# Allegro board FMDEMOD-Long.brd (continued)
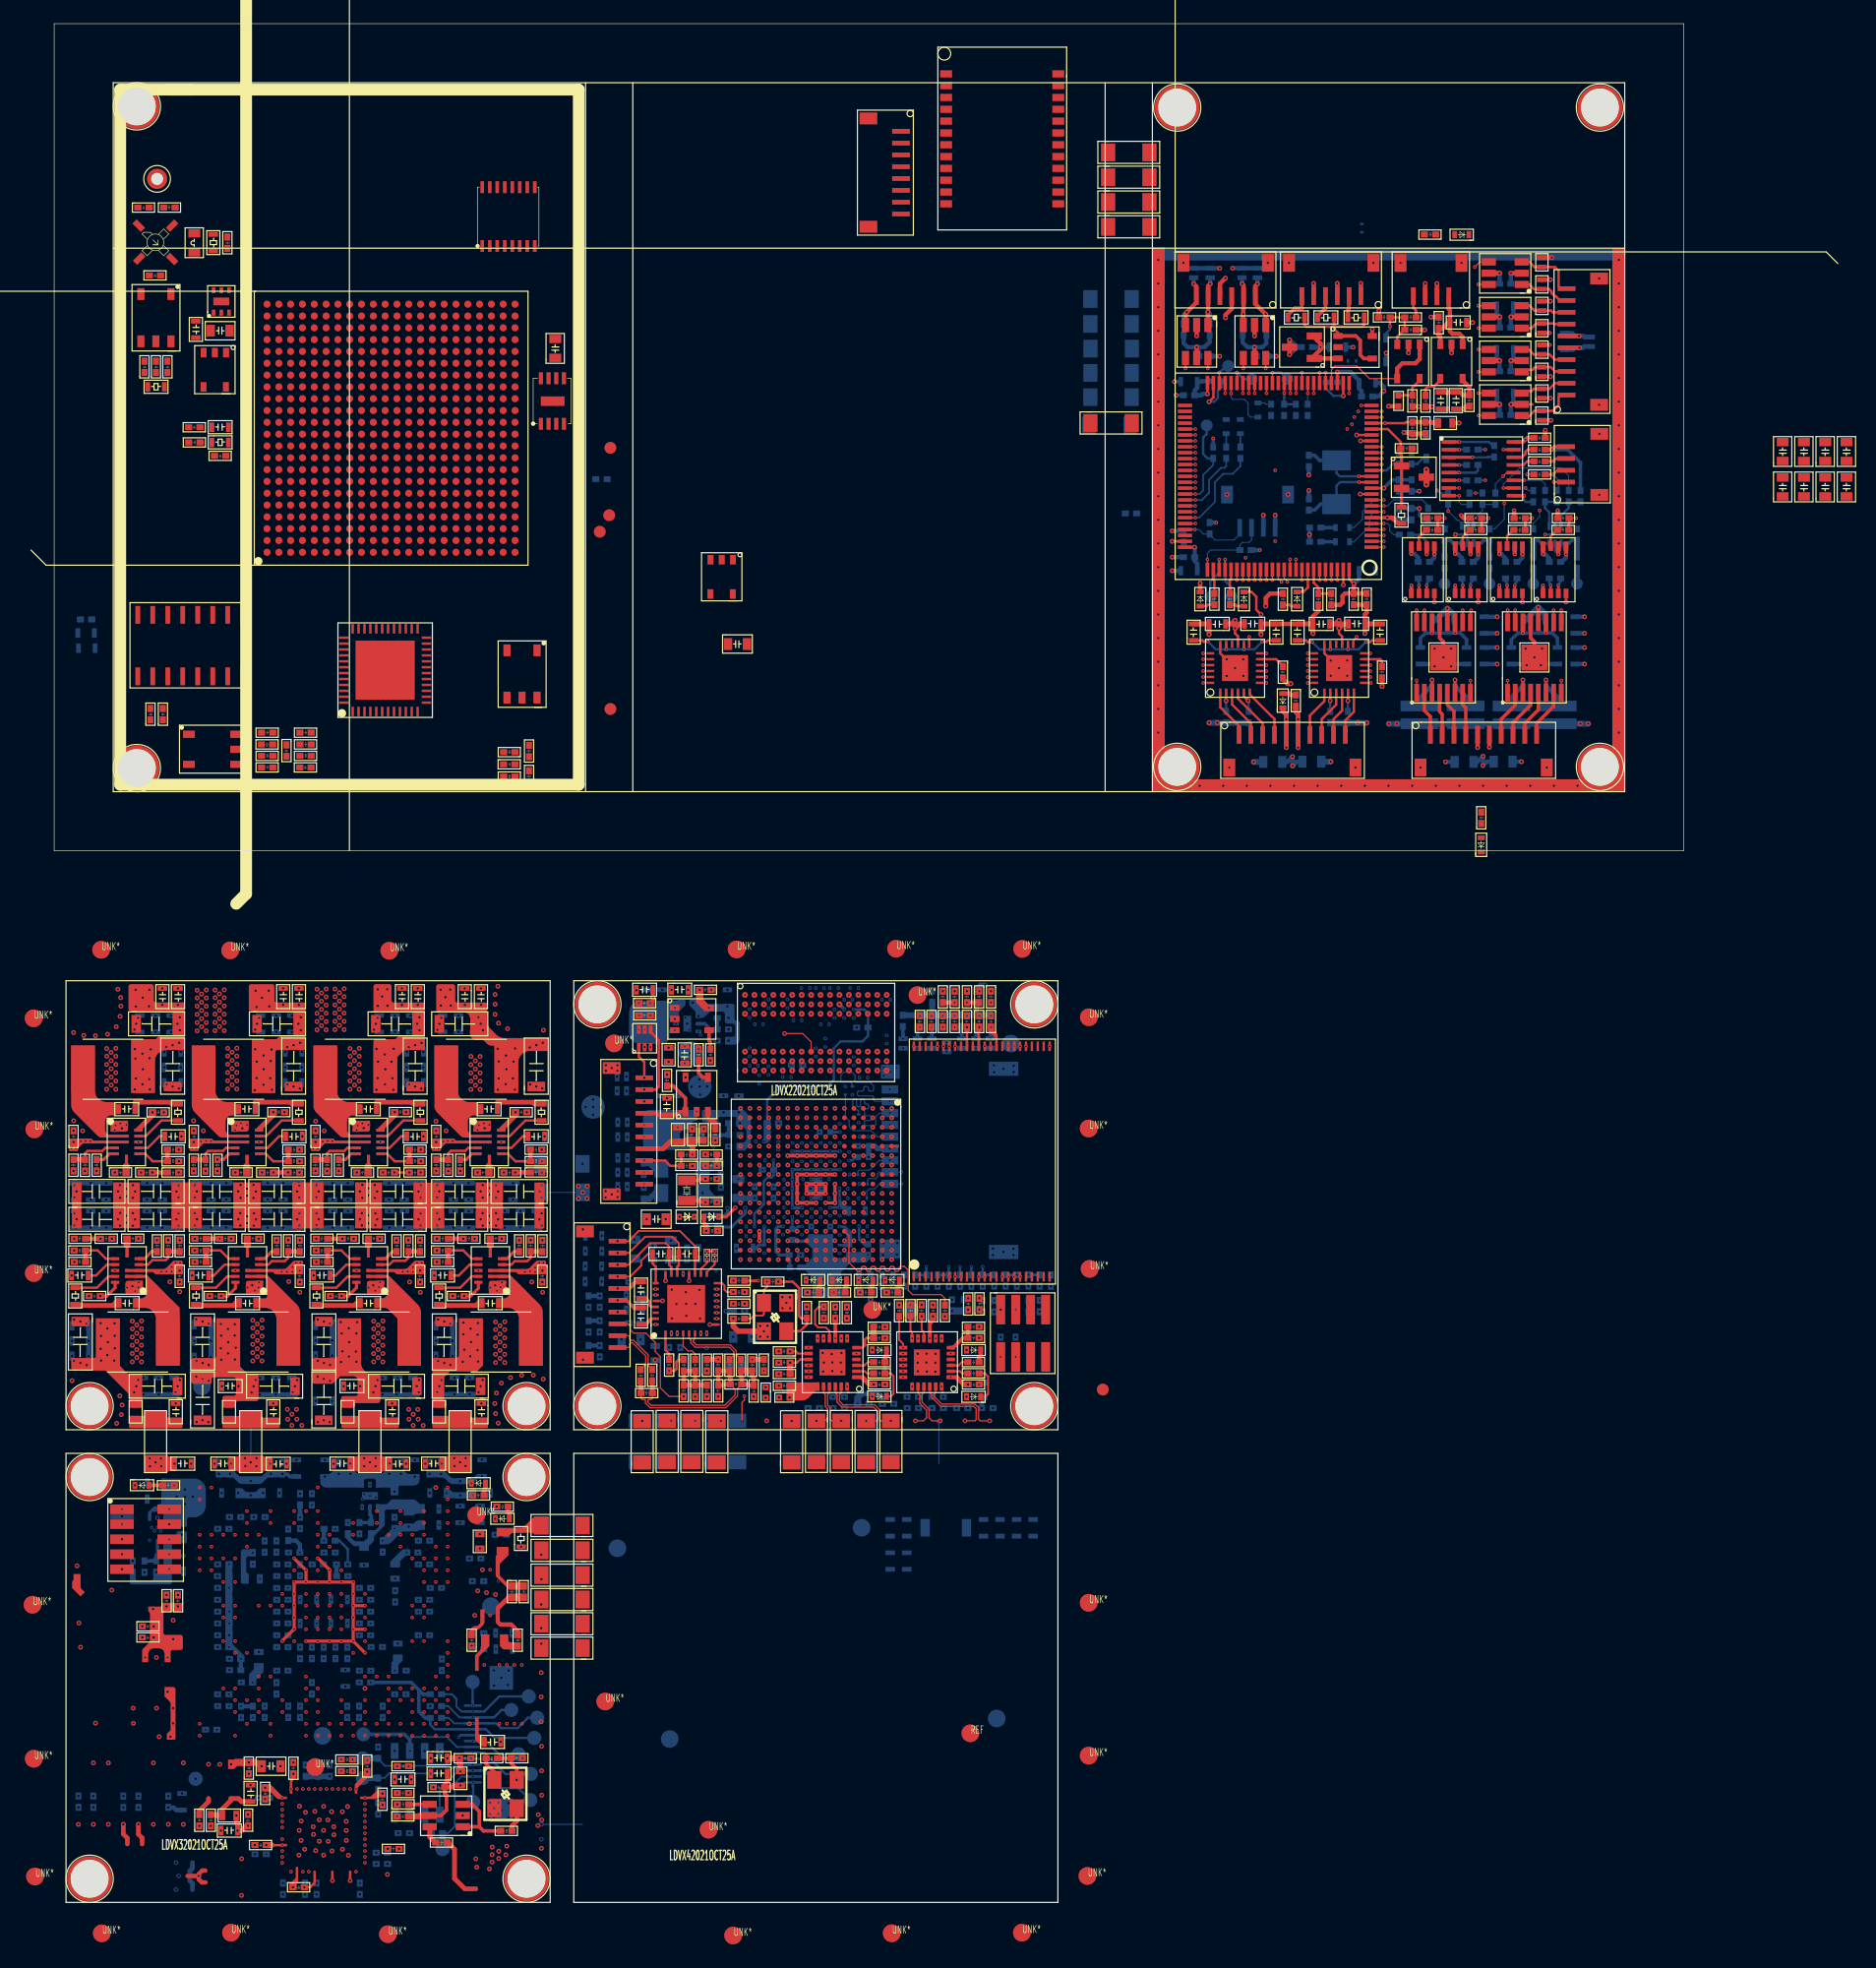
[diagram p0: board, top side]
## Routing (per net, layer and track width the routed paths; a pad name or vN(x,y) marks a point on that pad's centre or on a via; arc(x,y) is an arc through that point) (continued)
1V2_FPGA_PWR:
  vias: v5(32.19,-35.94) v5(32.42,-34.8) v5(32.44,-45.83) v5(32.51,-43.17) v5(32.61,-45.31) v5(32.79,-44.79) v5(33.03,-43.34) v5(33.54,-43.52) v5(34.6,-43.24) v5(34.66,-39.93) v5(34.65,-40.92) v5(34.73,-42.22) v5(35.23,-42.79) v5(35.26,-40.45) v5(35.29,-41.58) v5(35.88,-39.97) v5(35.86,-40.96) v5(35.85,-42.26) v5(35.9,-43.23) v6(32.58,-46) v6(33.73,-40.19) v6(33.73,-41.47) v6(33.73,-42.77) v6(33.89,-46) v6(35.19,-46)
2V5_FPGA_IN:
  vias: v5(25.07,-51.88) v5(26.25,-51.4) v5(26.25,-52.09) v5(26.73,-51.75) v5(27.21,-51.39) v5(27.22,-52.09) v5(28.4,-51.88) v6(22.93,-52.95) v6(24.11,-52.73) v6(25.09,-52.73) v6(28.38,-52.73) v6(28.82,-54.24) v6(29.36,-52.73) v6(30.53,-52.95)
2V5_FPGA_PWR:
  vias: v5(21.97,-35.94) v5(22.2,-34.8) v5(22.32,-43.17) v5(22.31,-44.52) v5(22.84,-43.34) v5(22.83,-44.7) v5(23.36,-43.52) v5(23.36,-44.88) v5(24.27,-39.89) v5(24.35,-40.86) v5(24.29,-43.27) v5(24.41,-42.37) v5(24.95,-40.41) v5(24.98,-41.58) v5(24.95,-42.81) v5(25.55,-42.38) v5(25.59,-40.85) v5(25.59,-43.24) v5(25.65,-39.89) v5(25.91,-45.31) v5(27.03,-45.84) v5(27.21,-45.31) v5(27.39,-44.79) v6(23.54,-40.17) v6(23.54,-41.45) v6(23.54,-42.73) v6(23.53,-46.56) v6(27.8,-46.02) v6(29,-46.01) v6(30.38,-46.02)
3V3_AUDIO: length 15.1
  PWR-L6 w0.26: v18(56.11,-39.59) 56.11,-40.81 56.02,-40.89 55.97,-40.84 v18(55.27,-40.84) 54.56,-41.55 ; v6(49.65,-41.36) 50.2,-41.91 v6(50.9,-41.91) 51.23,-41.58 51.23,-41.55 51.49,-41.29 52.93,-41.29 53.54,-41.91
  SIGNAL-L7 w0.26: v18(56.11,-39.59) 56.39,-39.88 56.39,-40.3 55.85,-40.84 v18(55.27,-40.84) 51.3,-40.84 50.9,-41.24 v6(50.9,-41.91)
  vias: v3(50.95,-40.09) v6(46.19,-42.83) v6(49.63,-39.98) v6(55.26,-42.07)
3V3_FPGA: length 1.3
  BOTTOM w0.3: v6(19.33,-52.73) 19.36,-52.76 19.75,-52.76 19.95,-52.95 C455.2
  vias: v5(14.98,-51.88) v5(16.15,-51.41) v5(16.18,-52.07) v5(16.64,-51.75) v5(17.13,-51.41) v5(17.12,-52.09) v5(18.27,-51.88) v6(13.95,-52.73) v6(14.9,-52.73) v6(16.65,-53.34) v6(18.36,-52.73)
3V3_FPGA_PWR:
  vias: v5(11.68,-35.94) v5(11.91,-34.8) v5(12.04,-43.17) v5(12.03,-44.51) v5(12.57,-43.34) v5(12.56,-44.7) v5(13.09,-43.52) v5(13.08,-44.88) v5(14.11,-40.05) v5(14.14,-41.04) v5(14.11,-42.11) v5(14.15,-43.07) v5(14.71,-40.47) v5(14.74,-41.58) v5(14.72,-42.54) v5(15.29,-40.07) v5(15.29,-41.02) v5(15.3,-43.05) v5(15.37,-42.05) v5(15.6,-45.31) v5(16.71,-45.85) v5(16.89,-45.31) v5(17.07,-44.78) v6(13.27,-40.11) v6(13.27,-41.48) v6(13.27,-42.87) v6(17.41,-46.02) v6(18.77,-46.02) v6(20.12,-46.02)
3V3_IF:
  vias: v5(9.6,-71.17) v5(9.85,-74.98) v5(10.06,-72.56) v5(10.06,-73.85) v6(5.86,-80) v6(7.13,-80) v6(10.83,-79.78)
3V3_MCU: length 87.6
  TOP w0.2: v2(110.05,22.6) 109.66,22.99 U19.100 ; U19.75 v2(96.58,25.69) ; U19.28 v2(108.67,40.52) ; U19.50 v2(97.67,38.66) ; v2(112.6,30.69) U19.11
  TOP w0.28: U19.6 v2(112.9,28.19)
  TOP w0.3: U37.5 v2(111.62,44.14) ; C591.1 124.75,34.95 v1(124.6,34.8) 124.4,34.6 U47.16
  TOP w0.36: C139.1 C159.1 119.06,38.8 119.29,38.57 119.83,38.57 C162.1 119.85,39.23 119.27,39.81 U21.5 ; L17.1 v2(118.98,36.2) ; v2(102.6,20.7) 102.6,21.4 102.97,21.77 R374.2 ; U31.5 v2(96.75,42.63) ; C479.1 109.32,21.78 109.1,21.56 109.1,21.01 108.9,20.81 R344.1 ; C479.1 v2(110.05,22.6) ; C479.1 C153.1 ; v2(112.9,28.19) 113.32,28.19 113.81,27.7 R320.1 ; L20.2 v2(113,37.62) ; v2(99.2,45.11) 99.2,45.36 99.72,45.88 J15.3 ; U25.5 v2(101.65,42.63)
  TOP w0.38: J14.5 v2(129.17,42.57)
  TOP w0.42: U53.5 v2(122.41,41.48) ; U50.5 v2(122.41,45.18) ; U51.5 v2(122.41,48.88) ; U52.5 v2(122.41,37.78)
  PWR-L6 w0.2: 62.7,-70.05 62.7,-70.37 62.5,-70.57 62.5,-71.3
  PWR-L6 w0.3: 64.4,-66.9 65.19,-66.9 65.67,-67.39 66.31,-67.39 66.31,-67.76 66.08,-67.98 66.08,-68.55 ; 64.4,-59.4 62.75,-59.4 62.28,-58.93 61.45,-58.93 ; 50.51,-56.59 50.51,-56.88 50.35,-57.04 50.35,-57.31 ; 47.38,-77.89 47.38,-78.37 47.64,-78.62 47.64,-79.19 ; 81.88,-74.2 81.88,-75.13 82.02,-75.26 82.02,-76.28
  BOTTOM w0.2: v2(96.58,25.69) 96.02,25.69 95.65,26.06 C573.1 ; v2(118.66,26.76) 119.5,26.76 119.7,26.56 U42.5 ; v1(126.26,26.77) 126.9,26.77 127.1,26.97 U41.5
  BOTTOM w0.3: C525.1 C203.1 113.3,31.39 v2(112.6,30.69) ; R328.2 v1(98.15,34.9) ; D18.2 v2(112.8,42.13) ; C546.1 108.69,40.12 108.67,40.14 v2(108.67,40.52) ; R291.1 v2(110,42.62) ; v2(112.9,28.19) 113.19,28.19 113.37,28 113.84,28 C176.1 C532.1
  BOTTOM w0.36: C189.1 110.5,23 110.1,22.6 v2(110.05,22.6) ; v2(96.75,42.63) 97.43,42.63 97.85,43.05 R189.2 ; v2(96.75,42.63) 95.97,42.63 95.65,42.95 R187.2 ; v2(96.75,42.63) 96.75,42.45 96.93,42.27 C606.2 ; R181.1 106.31,26.73 v2(106.29,26.75) 106.31,26.77 R186.1 ; R153.2 v1(98.4,27.77) ; C137.1 96.8,24.3 96.59,24.51 C136.1 96.59,25.68 v2(96.58,25.69) ; C644.1 128.6,42.4 128.77,42.57 v2(129.17,42.57) ; C553.1 101.81,42.12 101.65,42.28 v2(101.65,42.63) ; v2(101.65,42.63) 102.33,42.63 102.65,42.95 R378.2 ; v2(101.65,42.63) 101.05,42.63 100.65,43.02 R377.2 ; C609.2 122.4,45.17 v2(122.41,45.18) 122.17,45.42 C645.1 ; C158.1 97.23,39.75 97.18,39.7 C156.1 96.8,39.18 96.59,38.97 C138.1 97.15,38.55 97.26,38.66 v2(97.67,38.66) ; J20.4 v2(103.4,28.41) ; C647.1 122.17,38.02 v2(122.41,37.78) 122.4,37.77 C603.2 ; C600.2 122.4,48.87 v2(122.41,48.88) ; C610.2 122.4,41.47 v2(122.41,41.48) 122.17,41.72 C646.1 ; C168.1 110.71,38.9 110.5,39.11 C161.1 110.5,39.8 109.78,40.52 v2(108.67,40.52) ; R157.2 v1(102.1,25.45)
  BOTTOM w0.38: D24.2 129.55,42.68 129.44,42.57 v2(129.17,42.57)
3V3_MCU_A: length 5.7
  TOP w0.2: U19.22 v1(112.7,36.19) 114.39,36.19 114.47,36.27 C141.2
  TOP w0.36: C141.2 C142.2 116.65,36.27 116.72,36.2 L17.2
5V_AUDIO:
  vias: v3(50.95,-37.09) v3(53.27,-35.81) v6(49.63,-36.48) v6(50.68,-34.62) v6(52.22,-34.59) v6(53.59,-34.57) v6(54.56,-34.56)
5V_FPGA: length 33.8
  SIGNAL-L4 w0.36: v5(9.52,-63.95) 9.52,-60.32 14.68,-55.16 31.44,-55.16 34.12,-57.85 v5(36.04,-57.85)
  PWR-L6 w0.26: 6.85,-61.42 6.65,-61.22 v6(6.65,-61.06)
  vias: v3(7.71,-68.27) v3(9.61,-68.27) v5(8.37,-64.17) v5(8.42,-65.64) v5(8.42,-66.58) v5(10.07,-66.72) v5(10.49,-63.95) v5(13.08,-77.31) v5(14.98,-77.31) v5(16.48,-77.15) v5(17.56,-77.47) v6(8.64,-61.05) v6(9.39,-58.36) v6(9.54,-59.68) v6(9.54,-60.98) v6(10.8,-57.88) v6(36.06,-56.85) v6(37.34,-57.89)
5V_FPGA_IN:
  vias: v5(8.09,-51.42) v5(8.1,-52.09) v5(8.58,-51.75) v5(9.03,-51.43) v5(9.07,-52.09) v5(10.19,-51.88) v6(9.28,-53.52) v6(9.28,-54.86) v6(10.38,-54.68) v6(11.06,-54.06) v6(11.07,-54.68) v6(11.08,-55.28) v6(11.74,-54.67)
5V_FPGA_PWR:
  vias: v5(1.47,-35.94) v5(1.7,-34.8) v5(1.67,-43.15) v5(2.21,-43.34) v5(2.75,-43.53) v5(3.94,-39.98) v5(3.94,-42.15) v5(3.96,-41.06) v5(3.97,-43.14) v5(4.51,-40.43) v5(4.55,-41.58) v5(4.5,-42.67) v5(5.11,-39.99) v5(5.13,-41.05) v5(5.13,-42.11) v5(5.08,-43.15) v5(6.77,-45.84) v5(6.95,-45.31) v5(7.13,-44.78) v6(2.92,-40.2) v6(2.92,-41.48) v6(2.92,-42.77) v6(7.55,-46.02) v6(8.85,-46.02) v6(10.16,-46.02)
5V_MCU: length 21.2
  TOP w0.1: 118.1,46.93 J16.1
  TOP w0.36: U46.8 v1(114.93,25.13) ; U45.8 v1(118.64,25.14) ; U21.1 119.28,43.47 118.99,43.76 118.41,43.76 118.2,43.97 C155.1 ; C155.1 118.06,44.7 117.57,44.21 C160.1 117.21,44.17 117.21,43.66 117.38,43.5 U21.3 ; C155.1 118.2,45.77 118.1,45.87 J16.1 ; U43.8 v1(126.08,25.1) ; U44.8 v1(122.39,25.11)
  PWR-L6 w0.2: 74.05,-70.65 74.45,-70.65 75.3,-69.8 75.3,-68.5 74.68,-68.5 74.43,-68.75 74.05,-68.75
  PWR-L6 w0.3: 69.9,-69.7 69.9,-70.08 69.68,-70.3 69.68,-70.85 70.06,-70.85 70.27,-70.64 71.15,-70.64
  BOTTOM w0.36: v1(126.08,25.1) 126.25,25.1 126.61,24.74 C568.1 ; v1(118.64,25.14) 118.85,25.14 119.21,24.78 C572.1 ; v1(122.39,25.11) 122.55,25.11 122.91,24.75 C570.1 ; C566.1 115.51,24.81 115.19,25.13 v1(114.93,25.13)
12V_VBAT: length 1.9
  TOP w0.2: R156.1 115.33,45.72 115.1,45.95 J16.4
GND: length 705.4
  TOP w0.2: U47.15 v1(122.72,33.95) ; U48.18 98.75,16.71 v2(100,15.46) ; v24(21.18,-87.72) 21.67,-87.72 22.06,-87.33 22.06,-86.4 ; v2(109.16,22.5) U19.99 ; 23.56,-86.4 v24(23.56,-87.16) ; D16.1 101.4,21.9 101.8,21.5 101.8,20.4 v2(102.2,20) ; U52.2 125.18,37.78 ; U19.10 v2(110.6,30.19) ; v2(97.8,38) 98.17,38.37 U19.49 ; U28.18 107.56,16.71 v2(108.81,15.46) ; U19.19 v2(110.63,34.69) ; U19.74 v2(94.67,26.19) ; U19.20 v2(110.3,35.19) ; D52.1 v2(126.71,40.13) ; U19.27 v2(109.17,38.5) ; 25.06,-86.4 v24(25.06,-87.16) ; v2(126.71,38.3) D50.1
  TOP w0.3: v2(125.35,16.36) 125.35,17.69 125.03,18.01 U27.13 ; U43.1 v1(126.08,22.46) ; D48.1 v2(126.83,50.2) ; v2(117.65,16.36) 117.65,17.69 117.33,18.01 U26.13 ; D53.1 v1(126.66,42.81) ; D44.1 v1(126.66,43.82) ; v2(126.71,46.51) D45.1 ; U45.1 v1(118.64,22.46) ; U44.1 v1(122.39,22.46) ; U46.1 v1(114.93,22.46) ; v2(126.71,48.33) D47.1
  TOP w0.36: U45.5 v1(120.59,25.11) ; U21.2 v2(118.33,42.13) ; U52.2 v2(123.36,37.78) ; D49.1 v2(126.75,36.43) ; J16.3 v2(116.1,48) ; R154.2 v2(112.18,45.72) ; C594.2 C185.2 ; J19.6 v2(121.54,8.76) ; U46.5 v1(116.88,25.1) ; C591.2 v2(126.27,35.59) ; J16.2 v2(117.1,48) ; C162.2 119.63,37.63 119.4,37.4 v1(119.3,37.4) C159.2 ; C574.2 119.38,28.15 v1(119.14,28.39) ; C177.2 111,20 111.15,20.15 C153.2 C479.2 ; U31.2 v2(96.75,43.57) ; U50.2 v2(123.36,45.18) ; v2(104.61,41.99) U40.3 v2(104.61,43.24) ; U43.5 v1(128.03,25.1) ; U44.5 v1(124.34,25.1) ; v2(99.18,48.46) 98.72,48 J15.4 ; U25.2 v2(101.65,43.57) ; J7.3 v2(108.66,48.02) ; U51.2 v2(123.36,48.88) ; U45.6 v1(119.94,25.1) ; v2(120.13,44.7) C155.2 ; C163.2 v2(115.58,37.59) ; J7.5 v2(106.66,48.02) ; C569.2 v1(127.33,28.8) ; C139.2 v1(118.02,37.4) ; C154.1 v2(116.07,44.08) ; D17.1 v2(97.05,22.65) ; U44.6 v1(123.69,25.1) ; C174.2 106.6,19.83 107.05,20.28 R343.1 ; C157.1 v2(116.68,37.58) ; U53.2 v2(123.36,41.48) ; C142.1 C141.1 114.79,35.31 114.7,35.4 v2(114.3,35.4) ; U43.6 v1(127.38,25.1) ; U46.6 v1(116.23,25.1) ; U22.2 v2(114.69,42.13) ; J7.1 v2(110.66,48.02) ; C160.2 v2(116.59,45.17) ; C571.2 v1(123.63,28.8)
  TOP w0.38: J14.6 v2(129.13,43.57)
  TOP w0.4: R363.2 104.05,14.54 104.45,14.14 v2(104.72,14.14) ; v2(104.34,8.73) J18.5 v2(104.34,11.12) 104.34,11.55 104.05,11.84 D56.1 ; C595.2 C590.2 v2(97.8,18.3) ; v2(106.6,18.38) C174.2 C185.2 ; R176.2 v2(112.45,13.9) ; v2(102.2,18.3) C592.2 C594.2 ; v2(111,18.38) C177.2 C190.2
  TOP w0.45: v26(57.51,-39.59) 57.51,-40.25 57.92,-40.66 v26(60.1,-40.66)
  TOP w0.5: v2(116.2,32.25) U39.3 v2(116.2,30.99)
  GND-L2 w0.1: v23(61.32,-26.6) 60.92,-26.2 60.12,-26.2 v23(59.72,-26.6) ; 69.71,-32.61 66.51,-32.61 v23(66.12,-33) ; 69.71,-32.61 v23(69.32,-33) ; 69.71,-32.61 71.37,-32.61 ; v23(62.12,-29.8) 61.74,-29.42 60.1,-29.42 v23(59.72,-29.8) ; v23(61.32,-23.4) 60.91,-22.99 ; 60.91,-22.99 62.51,-22.99 v23(62.92,-23.4) ; 60.91,-22.99 59.31,-22.99 ; 59.35,-24.63 v23(59.72,-25) ; 59.35,-24.63 56.49,-24.63 56.37,-24.5 v25(55.99,-24.5) ; 59.35,-24.63 60.95,-24.63 v23(61.32,-25) ; v23(67.72,-29.8) 68.13,-29.39 68.91,-29.39 v23(69.32,-29.8) ; v26(55.01,-23.54) 55.56,-22.99 59.31,-22.99 ; v23(64.52,-25) 64.92,-24.61 65.72,-24.61 v23(66.12,-25) ; 59.31,-22.99 v23(59.72,-23.4)
  SIGNAL-L3 w0.1: v10(32.32,-74.89) 32.32,-82.57 31.01,-83.88 27.16,-83.88 26.93,-83.65 v10(26.31,-83.65) ; v10(39.6,-73.88) 39.6,-73.14 39.06,-72.59 39.06,-72.33 39.67,-71.72 39.67,-71.58 39.53,-71.44 39.39,-71.44 38.78,-72.05 38.43,-72.05 38.27,-71.89 v10(33.32,-71.89) ; v10(33.32,-57.89) 34.64,-57.89 35.42,-57.11 v14(41.24,-57.11) ; v10(33.32,-59.89) 39.63,-59.89 40.71,-60.97 40.88,-60.97 40.88,-60.97 v14(41.26,-60.97) ; v11(26.32,-70.89) 25.86,-70.43 18.93,-70.43 17.82,-71.54 17.82,-76.62 18.14,-76.94 18.14,-78.07 17.33,-78.89 17.33,-80.18 17.82,-80.67 17.82,-83.35 17.48,-83.69 17.48,-84.71 17.92,-85.15 v10(19.31,-85.15) ; v14(41.25,-58.78) 40.87,-58.78 40.57,-58.48 35.18,-58.48 34.77,-58.89 v10(33.32,-58.89) ; v10(33.32,-70.89) 33.92,-70.89 34.02,-70.79 34.02,-70.57 34.12,-70.47 34.32,-70.47 34.42,-70.57 34.42,-70.79 34.52,-70.89 34.72,-70.89 34.82,-70.79 34.82,-70.57 34.92,-70.47 35.12,-70.47 35.22,-70.57 35.22,-70.79 35.32,-70.89 35.52,-70.89 35.62,-70.79 35.62,-70.57 35.72,-70.47 35.92,-70.47 36.02,-70.57 36.02,-70.79 36.12,-70.89 36.32,-70.89 36.42,-70.79 36.42,-70.57 36.52,-70.47 36.72,-70.47 36.82,-70.57 36.82,-70.79 36.92,-70.89 37.12,-70.89 37.22,-70.79 37.22,-70.57 37.32,-70.47 37.52,-70.47 37.62,-70.57 37.62,-70.79 37.72,-70.89 38.16,-70.89 38.97,-70.07 v10(38.97,-68.9) ; v14(41.25,-62.97) 40.41,-62.97 40.18,-62.74 40.18,-62.6 40.37,-62.41 40.37,-62.27 40.23,-62.13 40.09,-62.13 39.9,-62.32 39.76,-62.32 39.62,-62.18 39.62,-62.04 39.8,-61.85 39.8,-61.71 39.66,-61.56 39.52,-61.56 39.33,-61.75 39.19,-61.75 39.05,-61.61 39.05,-61.47 39.24,-61.28 39.24,-61.14 39.1,-61 38.96,-61 38.77,-61.19 38.63,-61.19 38.33,-60.89 37.77,-60.89 37.44,-61.22 36.35,-61.22 36.02,-60.89 v10(33.32,-60.89) ; v10(26.32,-74.89) 26.32,-75.99 25.83,-76.48 25.09,-76.48 24.84,-76.73 24.84,-77.2 24.64,-77.4 24.18,-77.4 24.07,-77.51 23.96,-77.51 23.89,-77.44 23.89,-77.13 23.79,-77.03 23.64,-77.03 23.55,-77.13 23.55,-77.51 23.45,-77.61 23.25,-77.61 23.14,-77.51 23.14,-76.88 23.05,-76.78 22.84,-76.78 22.75,-76.88 22.75,-77.43 22.64,-77.53 22.45,-77.53 22.34,-77.43 22.34,-77 22.13,-76.79 21.71,-76.79 21.56,-76.94 21.56,-77.28 21.46,-77.38 21.09,-77.38 20.99,-77.48 20.99,-77.67 21.11,-77.78 21.46,-77.78 21.56,-77.88 v10(21.56,-79.4) ; v10(30.32,-74.89) 30.32,-75.29 28.99,-76.62 28.85,-76.62 28.57,-76.34 28.43,-76.34 28.29,-76.48 28.29,-76.62 28.57,-76.9 28.57,-77.04 28.36,-77.25 28.36,-78.39 28.26,-78.49 27.77,-78.49 27.67,-78.59 27.67,-78.79 27.77,-78.89 28.26,-78.89 28.36,-78.99 28.36,-79.99 28.13,-80.22 27.77,-80.22 27.67,-80.32 27.67,-80.49 27.77,-80.59 28.26,-80.59 28.36,-80.69 28.36,-80.88 27.59,-81.65 v10(26.31,-81.65) ; v10(25.32,-73.89) 25.82,-74.39 25.82,-75.5 25.32,-76 24.73,-76 24.63,-76.1 24.63,-76.22 24.53,-76.32 24.33,-76.32 24.23,-76.22 24.23,-76.1 24.13,-76 23.93,-76 23.83,-76.1 23.83,-76.22 23.73,-76.32 23.53,-76.32 23.43,-76.22 23.43,-76.1 23.33,-76 23.13,-76 23.03,-76.1 23.03,-76.22 22.93,-76.32 22.73,-76.32 22.63,-76.22 22.63,-76.1 22.53,-76 22.33,-76 22.23,-76.1 22.23,-76.22 22.13,-76.32 21.93,-76.32 21.83,-76.22 21.83,-76.1 21.73,-76 21.53,-76 21.43,-76.1 21.43,-76.22 21.33,-76.32 21.13,-76.32 21.03,-76.22 21.03,-76.1 20.93,-76 20.55,-76 20.38,-76.18 20.38,-76.39 20.58,-76.6 20.86,-76.6 20.96,-76.7 20.96,-76.84 20.86,-76.94 20.36,-76.94 20.16,-77.14 20.16,-77.38 20.91,-78.13 20.91,-78.41 21.06,-78.56 v10(21.06,-79.4) ; v10(33.32,-72.89) 37.84,-72.89 38.33,-73.38 v10(38.33,-73.88) ; v10(32.32,-70.89) 33.28,-69.93 34.29,-69.93 34.39,-69.83 34.39,-69.02 34.49,-68.92 34.69,-68.92 34.79,-69.02 34.79,-69.83 34.89,-69.93 35.09,-69.93 35.19,-69.83 35.19,-69.02 35.29,-68.92 35.49,-68.92 35.59,-69.02 35.59,-69.83 35.69,-69.93 37.84,-69.93 38.33,-69.43 v10(38.33,-68.9) ; v10(26.32,-73.89) 26.8,-74.37 26.8,-75.29 26.9,-75.39 27.17,-75.39 27.27,-75.49 27.27,-75.69 27.17,-75.79 26.9,-75.79 26.8,-75.89 26.8,-76.45 26.39,-76.87 26.39,-77.01 26.61,-77.23 26.61,-77.37 26.47,-77.51 26.33,-77.51 26.1,-77.29 25.96,-77.29 25.82,-77.43 25.82,-77.57 26.04,-77.79 26.04,-77.94 25.9,-78.08 25.76,-78.08 25.75,-78.06 25.69,-78.06 25.44,-78.31 25.15,-78.31 25.06,-78.41 25.06,-78.57 24.96,-78.67 24.76,-78.67 24.66,-78.57 24.66,-78.43 24.56,-78.33 24.36,-78.33 24.26,-78.43 24.26,-78.57 24.16,-78.67 23.96,-78.67 23.86,-78.57 23.86,-78.12 23.76,-78.02 23.56,-78.02 23.46,-78.12 23.46,-78.65 23.36,-78.75 23.06,-78.75 22.96,-78.65 22.96,-78.1 22.86,-78 22.18,-78 22.06,-78.12 v10(22.06,-79.4) ; v10(30.32,-73.89) 30.81,-74.38 30.81,-75.44 29.77,-76.49 29.77,-76.71 29.87,-76.81 30.27,-76.81 30.45,-77 30.45,-77.57 30.13,-77.89 29.07,-77.89 28.98,-77.99 28.98,-78.13 29.07,-78.23 29.44,-78.23 29.54,-78.33 29.54,-81.17 29.3,-81.42 29.16,-81.42 28.94,-81.2 28.8,-81.2 28.66,-81.34 28.66,-81.48 28.88,-81.7 28.88,-81.84 28.56,-82.15 v10(26.31,-82.15) ; v10(26.31,-82.65) 28.82,-82.65 29.07,-82.41 29.21,-82.41 29.29,-82.49 29.43,-82.49 29.57,-82.34 29.57,-82.2 29.49,-82.13 29.49,-81.98 29.63,-81.84 29.78,-81.84 29.85,-81.92 29.99,-81.92 30.14,-81.78 30.14,-81.64 30.06,-81.56 30.06,-81.42 30.66,-80.82 30.66,-79.72 30.76,-79.62 31.18,-79.62 31.27,-79.52 31.27,-79.32 31.18,-79.22 30.76,-79.22 30.66,-79.12 30.66,-78.92 30.76,-78.82 31.18,-78.82 31.27,-78.72 31.27,-78.52 31.18,-78.42 30.76,-78.42 30.66,-78.32 30.66,-78.12 30.76,-78.02 31.18,-78.02 31.27,-77.92 31.27,-77.29 30.89,-76.9 30.89,-76.28 31.32,-75.85 v10(31.32,-74.89) ; v10(26.31,-81.15) 26.96,-81.15 27.21,-80.9 27.21,-78.91 27.11,-78.81 26.18,-78.81 26.08,-78.71 26.08,-78.51 26.18,-78.41 27.11,-78.41 27.21,-78.31 27.21,-77.94 27.32,-77.84 27.82,-77.84 27.92,-77.74 27.92,-77.54 27.82,-77.44 27.32,-77.44 27.21,-77.34 27.21,-77.06 27.55,-76.73 27.55,-76.58 27.34,-76.37 27.34,-76.23 27.48,-76.09 27.62,-76.09 27.84,-76.3 27.98,-76.3 28.12,-76.16 28.12,-76.02 27.9,-75.8 27.9,-75.66 28.05,-75.52 28.19,-75.52 28.4,-75.74 28.54,-75.74 28.82,-75.46 29.6,-75.46 29.8,-75.26 29.8,-74.36 v10(29.32,-73.89) ; v10(33.32,-61.89) 37.16,-61.89 37.75,-62.47 37.89,-62.47 37.98,-62.38 38.12,-62.38 38.26,-62.52 38.26,-62.66 38.17,-62.75 38.17,-62.89 38.31,-63.03 38.45,-63.03 38.54,-62.94 38.69,-62.94 38.83,-63.08 38.83,-63.23 38.74,-63.32 38.74,-63.46 38.88,-63.6 39.02,-63.6 39.11,-63.51 39.25,-63.51 39.39,-63.65 39.39,-63.79 39.3,-63.88 39.3,-64.02 39.44,-64.17 39.58,-64.17 39.68,-64.07 39.82,-64.07 39.96,-64.22 39.96,-64.36 39.87,-64.45 39.87,-64.59 40.35,-65.07 v14(41.24,-65.07) ; 40.87,-68.05 40.87,-69.18 v11(41.24,-69.55) ; 40.87,-68.05 41.03,-68.05 v14(41.26,-67.82) ; 40.87,-68.05 33.81,-68.05 33.65,-67.89 v10(33.32,-67.89) ; v10(31.32,-73.89) 31.8,-74.37 31.8,-76.04 31.64,-76.21 31.64,-81.37 30.58,-82.43 30.44,-82.43 30.39,-82.37 30.24,-82.37 30.1,-82.51 30.1,-82.65 30.16,-82.71 30.16,-82.85 29.86,-83.15 29.66,-83.15 29.56,-83.25 29.56,-83.33 29.46,-83.43 29.26,-83.43 29.16,-83.33 29.16,-83.25 29.06,-83.15 28.86,-83.15 28.76,-83.25 28.76,-83.33 28.66,-83.43 28.46,-83.43 28.36,-83.33 28.36,-83.25 28.26,-83.15 28.06,-83.15 27.96,-83.25 27.96,-83.33 27.86,-83.43 27.66,-83.43 27.56,-83.33 27.56,-83.25 27.46,-83.15 v10(26.31,-83.15) ; v10(31.32,-71.89) 31.84,-71.37 38.33,-71.37 39.6,-70.1 v10(39.6,-68.9) ; v10(32.32,-72.89) 32.78,-73.35 37.49,-73.35 37.7,-73.56 v10(37.7,-73.88) ; v10(32.32,-71.89) 32.77,-72.34 38.05,-72.34 38.97,-73.26 v10(38.97,-73.88) ; v10(25.32,-74.89) 25.32,-75.24 25.06,-75.5 18.81,-75.5 18.69,-75.62 18.69,-75.84 18.79,-75.94 19.67,-75.94 19.77,-76.04 19.77,-76.25 19.67,-76.34 18.79,-76.34 18.69,-76.44 18.69,-78.18 19.22,-78.71 20.19,-78.71 20.56,-79.08 v10(20.56,-79.4) ; v11(41.26,-84.42) 40.77,-84.42 40.33,-83.99 40.33,-68.88 39.82,-68.37 34.34,-68.37 33.83,-68.89 v10(33.32,-68.89)
  SIGNAL-L4 w0.1: v17(26.32,-69.89) 25.84,-69.41 20.29,-69.41 19.82,-69.87 19.82,-75.17 18.56,-76.43 18.56,-84.23 18.98,-84.65 v17(19.31,-84.65)
  SIGNAL-L7 w0.1: v18(25.06,-79.4) 25.06,-79.08 25.39,-78.75 26.62,-78.75 26.95,-79.08 26.95,-79.73 27.34,-80.12 28.9,-80.12 29.55,-79.46 29.55,-78.71 29.65,-78.61 30.2,-78.61 30.3,-78.51 30.3,-78.31 30.2,-78.21 29.65,-78.21 29.55,-78.11 29.55,-77.91 29.65,-77.81 30.2,-77.81 30.3,-77.71 30.3,-77.51 30.2,-77.41 29.65,-77.41 29.55,-77.31 29.55,-77.11 29.65,-77.01 30.2,-77.01 30.3,-76.91 30.3,-76.71 30.2,-76.61 29.65,-76.61 29.55,-76.51 29.55,-75.12 v18(29.32,-74.89) ; v18(24.06,-79.4) 24.06,-78.85 24.29,-78.62 24.29,-78.26 24.72,-77.83 25.17,-77.83 25.64,-77.36 27.01,-77.36 27.11,-77.26 27.11,-77.06 27.01,-76.96 25.64,-76.96 25.54,-76.86 25.54,-75.86 25.89,-75.51 26.12,-75.51 26.22,-75.61 26.22,-76.53 26.32,-76.63 26.52,-76.63 26.62,-76.53 26.62,-75.61 26.72,-75.51 26.92,-75.51 27.02,-75.61 27.02,-76.53 27.12,-76.63 27.32,-76.63 27.42,-76.53 27.42,-75.61 27.52,-75.51 27.7,-75.51 v18(28.32,-74.89) ; v22(41.24,-73.71) 40.59,-73.06 38.84,-73.06 38.14,-72.35 29.78,-72.35 v18(29.32,-71.89) ; v21(41.25,-83.66) 31.84,-83.66 30.85,-82.66 30.85,-73.36 v18(31.32,-72.89) ; v18(24.56,-79.4) 24.56,-78.83 25.06,-78.33 25.47,-78.33 25.93,-77.87 27.05,-77.87 27.36,-78.18 27.36,-78.72 27.9,-79.26 28.4,-79.26 28.5,-79.16 28.5,-78.69 28.4,-78.59 27.97,-78.59 27.87,-78.49 27.87,-78.29 27.97,-78.19 28.4,-78.19 28.5,-78.09 28.5,-77.82 28.28,-77.6 28,-77.6 27.9,-77.5 27.9,-77.3 28,-77.2 28.28,-77.2 28.38,-77.1 28.38,-76.9 28.28,-76.8 28,-76.8 27.9,-76.7 27.9,-76.5 28,-76.4 28.28,-76.4 28.38,-76.3 28.38,-76.07 28.82,-75.63 28.82,-74.39 v18(28.32,-73.89) ; v18(24.32,-74.89) 24.32,-76.59 23.04,-77.87 22.79,-77.87 22.69,-77.77 22.69,-77.37 22.59,-77.27 22.39,-77.27 22.29,-77.37 22.29,-77.77 22.19,-77.87 21.99,-77.87 21.89,-77.77 21.89,-77.37 21.79,-77.27 21.59,-77.27 21.49,-77.37 21.49,-77.77 21.39,-77.87 18.74,-77.87 17.8,-78.82 17.8,-80.68 18.77,-81.65 v18(19.31,-81.65) ; v18(23.32,-74.89) 23.32,-75.17 22.27,-76.23 21.47,-76.23 21.37,-76.13 21.37,-76.06 21.27,-75.96 21.07,-75.96 20.97,-76.06 20.97,-76.13 20.87,-76.23 20.67,-76.23 20.57,-76.13 20.57,-76.06 20.47,-75.96 20.27,-75.96 20.17,-76.06 20.17,-76.13 20.07,-76.23 19.87,-76.23 19.77,-76.13 19.77,-76.06 19.67,-75.96 19.47,-75.96 19.37,-76.06 19.37,-76.13 19.27,-76.23 18.89,-76.23 16.92,-78.2 16.92,-81.08 18.5,-82.65 v18(19.31,-82.65) ; v18(24.32,-73.89) 24.81,-74.38 24.81,-76.9 23.77,-77.94 23.77,-78.71 23.33,-79.16 20.68,-79.16 20.58,-79.06 20.58,-78.67 20.48,-78.57 20.28,-78.57 20.18,-78.67 20.18,-79.06 20.08,-79.16 19.88,-79.16 19.78,-79.06 19.78,-78.67 19.68,-78.57 19.48,-78.57 19.38,-78.67 19.38,-79.06 19.28,-79.16 19.05,-79.16 18.73,-79.48 18.73,-80.9 18.98,-81.15 v18(19.31,-81.15) ; v18(19.31,-82.15) 18.66,-82.15 17.36,-80.85 17.36,-78.58 19.12,-76.83 22.62,-76.83 23.83,-75.62 23.83,-74.39 v18(23.32,-73.89) ; v18(29.32,-70.89) 30.2,-70.89 30.69,-71.38 38.92,-71.38 39.62,-72.08 40.77,-72.08 v22(41.24,-71.61)
  BOTTOM w0.1: v30(41.27,-82.39) 44.73,-82.39 ; 74.92,-51.85 v30(74.92,-48.28) ; v30(41.27,-28.91) v2(44.77,-28.91) ; v30(16.65,-48.25) v30(16.65,-51.75)
  BOTTOM w0.2: U42.2 119.7,28.24 119.54,28.4 119.15,28.4 v1(119.14,28.39) ; J9.6 34.43,-74.84 v31(34.26,-75.02) ; v1(127.38,25.1) 127.1,25.38 U41.2 ; v1(116.23,25.1) 116.23,26.17 115.65,26.75 R180.2 ; R182.2 115.92,28.03 115.6,28.35 v2(115.6,28.97) ; C611.2 v1(121.2,31.35) ; v2(97.8,38) 98.23,38 98.54,38.31 98.54,38.94 98.87,39.27 C158.2 ; C546.2 107.73,39.09 108.32,38.5 v2(109.17,38.5) ; C607.2 v1(121.2,33.95)
  BOTTOM w0.3: C176.2 C532.2 v2(115.6,28.97) ; C138.2 v2(95,38.55) ; C156.2 v2(94.87,39.7) ; v2(115.6,30.43) C525.2 C203.2
  BOTTOM w0.36: v1(128.03,25.1) 128.03,24.81 127.67,24.45 C568.2 ; C600.1 123.36,48.88 v2(123.36,48.88) ; C603.1 123.36,37.78 v2(123.36,37.78) 123.57,37.99 C647.2 ; C646.2 123.57,41.69 v2(123.36,41.48) 123.36,41.48 C610.1 ; C167.1 117.09,15.8 v2(117.65,16.36) 118.21,15.8 C166.1 ; C642.2 v2(117.82,7.52) ; 105.24,42.62 C472.1 ; 105.24,42.62 105.23,42.62 v2(104.61,43.24) ; 105.24,42.62 v2(104.61,41.99) ; C170.1 125.91,15.8 v2(125.35,16.36) 124.79,15.8 C169.1 ; v2(99.79,49.3) D54.1 D55.1 ; C168.2 112.15,38.45 v2(112.6,38.9) 112.6,39.28 112.28,39.6 C161.2 ; v2(98.7,49.3) D25.1 D22.1 ; C572.2 120.23,24.45 120.59,24.81 v1(120.59,25.11) ; v1(116.88,25.1) 116.88,24.81 116.52,24.45 C566.2 ; C609.1 123.36,45.18 v2(123.36,45.18) 123.57,45.39 C645.2 ; v2(114.3,35.4) 114.81,35.4 115.01,35.2 D40.1 ; C553.2 v2(103.5,41.85) ; C137.2 v2(94.68,23.7) ; C644.2 128.57,43.8 128.8,43.57 v2(129.13,43.57) ; C570.2 123.98,24.45 124.34,24.81 v1(124.34,25.1) ; C649.2 v2(124.26,7.54) ; C181.2 v2(129.6,18.4) ; C178.2 v2(122.2,18.4) ; C188.2 v2(129.6,15.8) ; J20.3 v2(102.4,28.41) ; C527.1 v2(106.25,30.5) ; C136.2 v2(94.68,24.85) ; C573.2 v2(94.67,27.07) ; C187.2 v2(122.2,15.8) ; C606.1 v2(98.7,41.85) ; C513.1 v2(106.25,31.8)
  BOTTOM w0.38: C248.2 v30(73.78,-11.86) ; v30(78.83,-11.35) 78.44,-11.35 78.06,-11.73 C247.2 ; D24.1 129.58,43.48 129.49,43.57 v2(129.13,43.57)
  BOTTOM w0.5: v2(97.81,10.83) v2(98.5,10.83) R370.2 R373.2 ; v2(111.16,10.83) v2(110.4,10.83) R184.2 R178.2 ; C643.2 v2(101.58,7.52) ; v2(113.03,10.75) v2(113.69,10.75) R170.1 R171.1 R172.1 R173.1 v2(129.25,10.75) v2(129.91,10.75) ; C648.2 v2(108.1,7.54)